# Allegro board RK_TABLET_DEMO1_RK3576_LP4XD200P132SD6_V12_20240530YWQ.brd (continued)
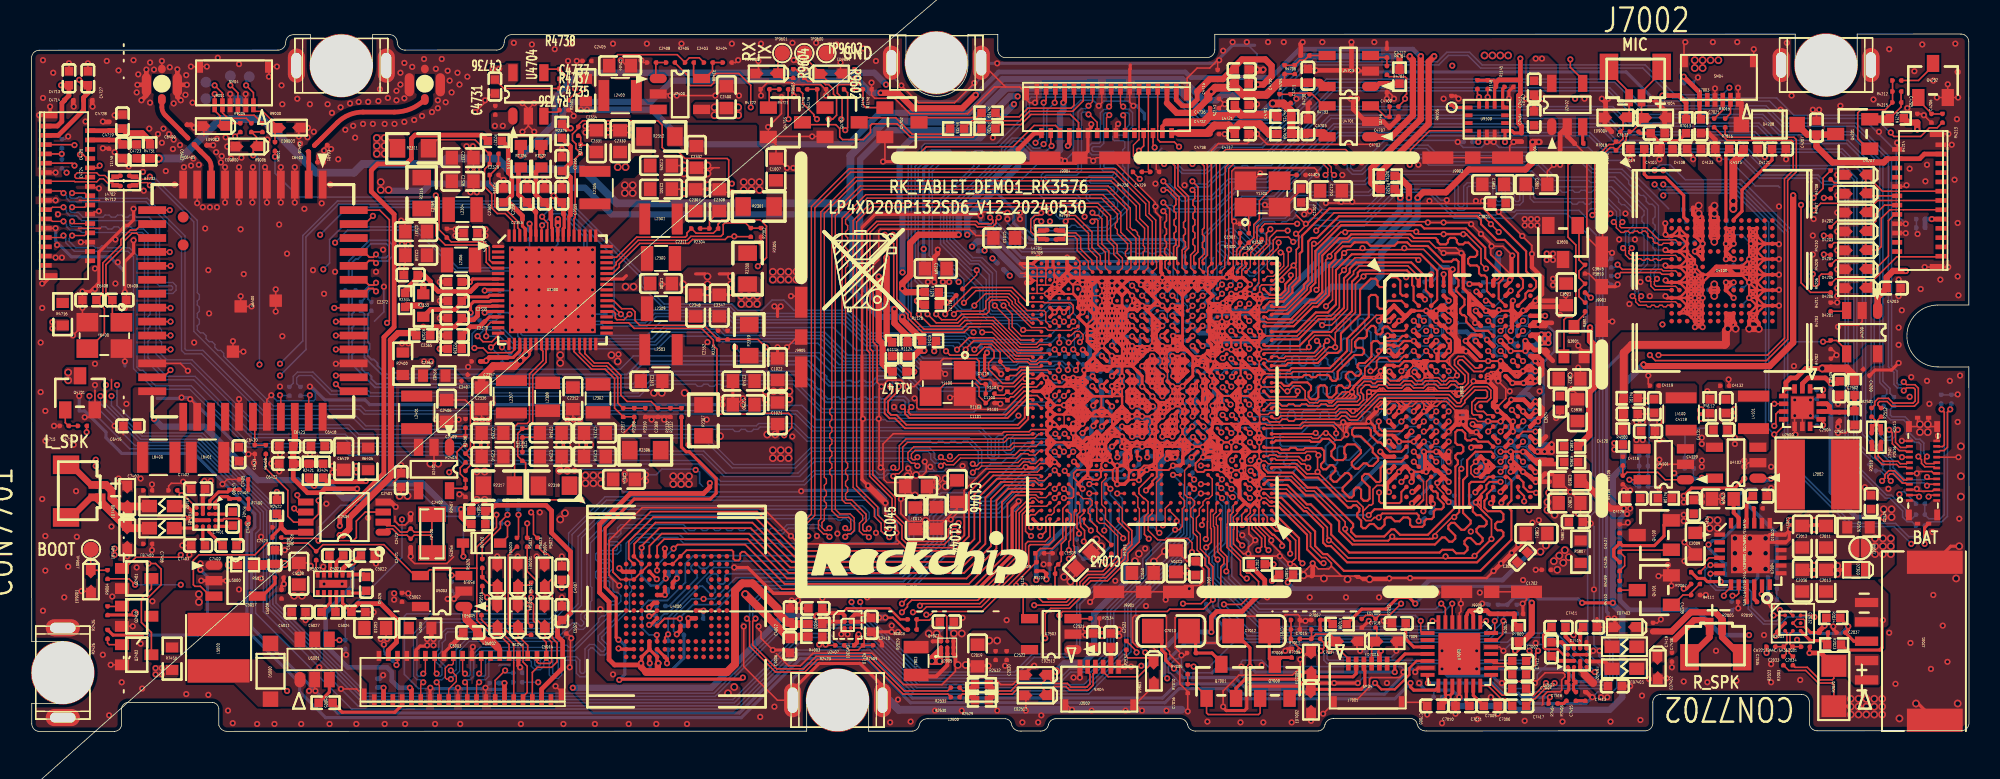
[diagram p0: board, top side]
## Nets (continued)
VIB_CON: R4213.1 U1000.AD28(--            | PWM1_CH0_M0 | --             | UART4_TX_M2     | I2C1_SCL_M1      | --           | --             | REF_CLK1_OUT | GPIO0_B4_D)
VMID_ES8388: C7011.1 U7000.20(VMID)
VOL+: J9001.3 R9000.2 TP9004.1
VOL-: J9001.5 R9001.2 TP9005.1
VREF_ES8388: C7009.1 U7000.10(VREF)
WIFI_REG_ON_H: U1000.A26(--           | SATA_CPPOD       | --           | I2C8_SCL_M1    | UART2_TX_M0    | --           | PDM0_SDI0_M2 | --            | FSPI1_D2_M1   | --              | ETH1_TXCTL_M1       | GPIO1_C6_D) U6400.15(WL_REG_ON)
WIFI_WAKE_HOST_H: U1000.1U22(I2C0_SCL_M0 | --             | SPI2_CSN0_M0  | AUPLL_CLK_IN_M1 | --           | GPIO0_B0_Z) U6400.16(WL_HOST_WAKE)
WIFIBT_32KIN_2T2R: C6421.1 R6408.2 U6400.31(LPO)
XIN_24M: C1101.1 R1101.2 U1000.U28(OSC_XIN) Y1100.3(X2)
XIN_WIFI: C6408.1 U6400.13(XTAL_IN) Y6400.3(X2)
XOUT_24M: R1100.2 R1101.1 U1000.U29(OSC_XOUT)
XOUT_WIFI: C6409.1 U6400.14(XTAL_OUT) Y6400.1(X1)
ZQ_A: R1200.2 U1000.1R6(ZQ_A)
ZQ_B: R1201.1 U1000.1J6(ZQ_B)
N16483578: C7404.2 R7400.1
N16483700: C7406.2 R7401.1
N16485789: C7415.2 R7403.1
N16485911: C7417.2 R7404.1
N17044498: ANT6402.1(FEED) C6401.1 C6403.1
N17044505: C6403.2 C6410.1 U6400.2(WL_BT_ANT0)
N18483700: L6401.1 U6400.28(ASR_VLX)
N18483702: C6420.1 L6401.2 U6400.29(ABUCK_1P12)
N18483775: C6402.2 C6405.2 U6400.9(WL_ANT1)
N18483810: L6400.2 U6400.26(CSR_VLX)
N18483812: C6415.1 L6400.1 U6400.25(CBUCK_0P9)
N18669719: C7015.1 R7007.2 R7008.1
N19347246: C1100.1 R1100.1 Y1100.1(X1)
N19625788: R1353.1 U1000.1B21(I3C1_SDA_PU_M1 | --         | SPI0_CLK_M1  | I2C5_SCL_M0 | --            | UART5_TX_M2 | TEST_CLK_OUT | SAI3_SCLK_M3 | --            | FSPI1_CLK_M0  | SDMMC0_CLK | GPIO2_A5_D)
N19625813: R1367.1 U1000.1G23(PWM2_CH7_M1 | --         | --            | --            | PDM0_CLK0_M1 | SAI0_SDI1_M2 | SAI0_SDO3_M2 | FSPI0_CLK  | EMMC_CLK  | GPIO1_B1_D)
N19907557: R2414.1 U2402.3(OCB)
N21004058: C1301.1 R1300.2 Y1300.1(X1)
N21504287: ANT6401.1(FEED) C6400.2 C6402.1
N21735612: R2534.1 U2503.3(OCB)
N21902615: R3802.2 U3800.A5(ZQ0)
N21902619: R3804.2 U3800.A8(ZQ1)
N22358067: C2421.2 U2404.1(OSCI) Y2400.1
N22358147: C2422.2 U2404.2(OSCO) Y2400.2
N22367501: L2501.4 R2510.1 R2512.2
N22367504: L2501.2 R2513.2 R2516.1
N22367533: L2500.4 R2529.1 R2530.2
N22367536: L2500.2 R2531.2 R2532.1
N22367651: C2503.1 C2504.1 R2501.2 U2500.12(VCONN_12) U2500.13(VCONN_13)
N22631222: C4121.1 U4100.A9(VDDI)
N22631304: C4122.1 U4100.A3(VDDIQ)
N22631340: C4123.1 U4100.A8(VDDIQ2)
N23443278: C7012.2 Q7000.3(DRAIN) R7006.1
N23443310: C7016.1 Q7000.1(GATE) Q7001.1(GATE) R7010.2
N23443315: C7013.2 Q7001.3(DRAIN) R7005.1
N25926738: L2401.1 U2401.3(LX)
N25926882: C2409.1 R2406.2 U2401.1(EN)
N25926888: C2402.2 R2403.2 R2407.1 U2401.5(FB/OUT)
N26149917: C7004.1 U7000.23(RIN1)
N28025034: ED9001.1 R9004.2 TP9007.1
N28026868: C7019.1 R7013.2 R7017.1
N28185504: L2400.1 U2400.3(LX)
N28185677: C2408.1 R2405.2 U2400.1(EN)
N28185687: C2403.2 R2404.2 R2408.1 U2400.5(FB/OUT)
N28311256: R4005.1 R4007.2 U4000.H5(DATA STROBE)
N28324558: R4203.1 U4200.3(OCB)
N29652995: C9103.1 U9100.11(REGOUT)
N29797202: L4100.1 U4101.3(LX)
N29797204: C4117.1 C4118.1 C4119.1 L4100.2 R4101.1 R4103.1 R4104.1
N29797351: R4105.2 R4106.1 U4101.1(EN)
N29797357: C4117.2 R4103.2 R4104.2 R4107.1 U4101.5(FB/OUT)
N29797482: L4101.1 U4102.3(LX)
N29797631: R4115.2 R4116.1 U4102.1(EN)
N29797633: C4130.2 R4113.2 R4114.1 U4102.5(FB/OUT)
N29801091: C4125.2 Q4100.1(GATE) R4109.2 R4110.1
N29801183: Q4101.3(COLLECTOR) R4110.2
N29801225: C4128.1 Q4101.1(BASE) R4111.2
N30279606: C3845.1 Q3800.1(GATE) R3810.2 R3811.1
N30279662: Q3801.3(DRAIN) R3811.2
N31039547: R2010.1 U2004.10(ILIM)
N31039644: R2006.1 R2011.1 R2025.2 U2004.11(TS/NTC)
N31039646: C2008.1 U2004.23(PMID)
N31040025: R2005.2 U2004.9(C\E\)
N31040050: C2010.1 L2002.1 U2004.19(SW1) U2004.20(SW2)
N31040066: C2010.2 U2004.21(BTST)
N31339553: R2409.2 R2410.1 R2423.2 U2407.B2(ON)
N31344249: C7400.1 U7400.D2(C1P)
N31344257: C7401.1 U7400.D1(C2P)
N31344297: C7400.2 U7400.C1(C1N)
N31344305: C7401.2 U7400.B1(C2N_1) U7400.B2(C2N_2)
N31344410: FB7400.1 U7400.D4(VON)
N31344418: FB7401.1 U7400.B4(VOP)
N31361039: C7405.1 R7400.2 U7400.A2(INN)
N31361246: C7405.2 R7401.2 U7400.A1(INP)
N31366881: C7411.1 U7402.D2(C1P)
N31366885: C7411.2 U7402.C1(C1N)
N31366889: C7412.1 U7402.D1(C2P)
N31366893: C7412.2 U7402.B1(C2N_1) U7402.B2(C2N_2)
N31367008: C7416.1 R7403.2 U7402.A2(INN)
N31367014: FB7402.1 U7402.D4(VON)
N31367020: C7416.2 R7404.2 U7402.A1(INP)
N31367026: FB7403.1 U7402.B4(VOP)
N31528669: C4707.1 R4701.2 U4701.3(EN)
N31528675: C4701.2 R4730.2 R4733.1 U4701.4(BP)
N31528937: C4712.1 R4704.2 U4703.3(EN)
N31528943: C4710.2 R4705.2 R4706.1 U4703.4(ADJ)
N31549612: Q4701.1(BASE) R4714.2 R4715.1
N31550220: Q4702.3(COLLECTOR) R4719.1
N31550249: Q4702.1(BASE) R4717.2 R4718.1
N31550517: Q4703.3(COLLECTOR) R4720.1
N31550548: Q4703.1(BASE) R4721.2 R4722.1
N31550756: Q4704.3(COLLECTOR) R4723.1
N31550787: Q4704.1(BASE) R4724.2 R4725.1
N31575465: D9803.1 J2502.4 R2537.2
N31696531: D5000.1(A) L5000.2 U5001.1(SW)
N31696650: R5005.1 U5001.3(FB)
N31711977: C5017.1 U5000.4(BP)
N31733130: C2032.1 R2023.2 U2003.C3(VCELL)
N31761528: L7803.2 U2005.B1(SW) U2005.B2(SW1)
N31761574: R2028.2 R2029.2 U2005.B3(EN)
N31915974: C5026.1 U5002.1(C21P)
N31915978: C5026.2 U5002.12(C21N)
N31916041: C5023.1 U5002.3(C11P)
N31916043: C5027.1 U5002.10(C12P)
N31916095: C5023.2 U5002.4(C11N)
N31916099: C5027.2 U5002.9(C12N)
N31916172: R5027.2 U5002.6(EN)
N31972393: J7003.2 R7015.2
N31972396: J7003.3 R7016.2
N32076662: C4709.1 R4703.2 U4703.1(IN)
N32077506: R5001.1 U5003.3(OCB)
N32083251: C4205.2 Q4201.2(SOURCE) R4215.1 R4216.2
N32083273: C4205.1 Q4201.1(GATE) R4212.2 R4215.2
N32083311: Q4202.3(COLLECTOR) R4212.1
N32083354: Q4202.1(BASE) R4213.2 R4214.1
N32119669: Q2400.1(GATE) Q2401.3(DRAIN) Q2402.3(DRAIN) R2425.2
N32119996: Q2402.1(GATE) R2426.1
N32498836: C4737.2 R4737.2 R4738.1 U4704.4(BP)
N32498842: C4735.1 R4736.2 U4704.3(EN)

Pads without a net: J4201 2 3 4 5 7 17 18 19 20 21; J4701 10; J4702 6 27; J5000 5 26 39; J7001 6; J7003 5; U1000 1A5 1A8 1A9 1A10 1A12 1A13 1A14 1A15 1A16 1A18 1A20 1AA5 1AA6 1AA20 1AC22 1AC23 1AD21 1AD22 1AE2 1AE24 1B9 1B12 1B13 1B18 1C10 1C12 1C15 1D4 1D15 1D16 1D19 1D21 1E4 1E12 1E15 1E18 1E19 1E22 1G4 1G5 1H5 1K22 1K23 1L23 1M23 1R5 1V4 1V5 2F10 2R6 2T9 2T10 2T12 2U12 A11 A13 A15 A17 A21 A28 AE28 AE29 AF28 AF29 AG28 AG29 AH28 AH29 AJ28 AK2 AK3 AK23 AK24 AK26 AK27 AK28 AK29 AL23 AL24 AL26 AL28 B9 B10 B11 B12 B14 B16 B17 B18 B19 B20 B21 B22 B26 B27 M28 M29 N28 N29; U2003 B3; U2004 2 3 12 24; U2300 2 3 16 38 48; U3800 A1 A2 A11 A12 AA1 AA12 AB1 AB2 AB11 AB12 B1 B12 G11 K5 K8 N5 N8; U4000 A2 A7 A8 A9 A10 A11 A12 A13 A14 B1 B7 B8 B9 B10 B11 B12 B13 B14 C1 C3 C7 C8 C9 C10 C11 C12 C13 C14 D1 D2 D3 D4 D12 D13 D14 E1 E2 E3 E5 E8 E9 E10 E12 E13 E14 F1 F2 F3 F10 F12 F13 F14 G1 G2 G3 G10 G12 G13 G14 H1 H2 H3 H12 H13 H14 J1 J2 J3 J12 J13 J14 K1 K2 K3 K6 K7 K10 K12 K13 K14 L1 L2 L3 L12 L13 L14 M1 M2 M3 M7 M8 M9 M10 M11 M12 M13 M14 N1 N3 N6 N7 N8 N9 N10 N11 N12 N13 N14 P1 P2 P7 P8 P9 P10 P11 P12 P13 P14; U4100 A1 A2 A10 A11 A12 A13 A14 B1 B3 B10 B13 B14 C10 C13 C14 D4 E6 E7 E9 E10 E13 E14 F10 G5 G13 G14 J10 J13 J14 K9 K10 L13 L14 M6 M7 M8 M9 M10 M11 N1 N6 N7 N10 N13 N14 P1 P2 P3 P6 P7 P10 P13 P14; U5002 7; U6400 17 18 48 51 52; U7000 9 25; U9100 2 3 9 10

## Via types
v1: diameter 0.4, hole 0.2, TOP to BOTTOM, 2089 vias
v2: diameter 0.5, hole 0.3, TOP to BOTTOM, 254 vias

## Routing (per net, layer and track width the routed paths; a pad name or vN(x,y) marks a point on that pad's centre or on a via; arc(x,y) is an arc through that point)
GND: length 4211.1
  TOP w0.089: 64.88,29.95 66.76,29.95 66.82,29.9 ; 64.88,29.95 64.88,29.08 ; 64.88,29.95 U1000.AL29 ; J4701.14 69.96,39.09 v1(70.11,39.24) ; 64.9,28.29 65.5,28.29 v1(65.51,28.28) ; 64.9,28.29 64.88,28.3 64.88,28.83 ; 64.9,28.29 64.26,28.29 64.24,28.27 ; 3.08,34.31 3.09,34.3 4.38,34.3 4.4,34.31 ; v1(72.57,36.96) 72.57,36.32 C4729.2 ; U1000.B5 77.82,14.1 77.55,13.83 77.55,13.56 77.59,13.52 ; J4701.17 69.06,40.61 v1(68.86,40.41) ; U1000.AJ29 64.85,29.12 64.88,29.08 ; U1000.G29 64.79,17.02 65.07,17.3 65.46,17.3 65.52,17.37 ; v1(58.96,23.09) 58.72,23.33 58.08,23.33 ; 68.46,36.91 v1(68.51,36.85) 68.71,37.06 J9904.3 ; 56.38,15.81 C1045.2 56.38,16.34 v2(56.52,16.48) ; 56.38,15.81 56.48,15.71 ; 56.38,15.81 56.38,15.71 ; 88.47,22.86 88.32,22.86 ; 88.32,22.86 88.4,22.95 U3800.K2 ; 88.32,22.86 88.14,22.68 ; 64.88,28.83 65.05,28.83 65.06,28.84 65.28,28.84 65.29,28.83 65.46,28.83 ; 64.88,28.83 64.88,29.08 ; 80.57,16.47 79.62,16.47 U1000.1D1 ; 65.46,29.4 65.46,29.29 65.43,29.27 65.43,28.85 65.46,28.83 ; 65.46,29.4 64.04,29.4 64.04,29.39 ; 65.46,29.4 65.46,29.55 65.45,29.56 65.45,29.78 65.46,29.79 ; 80.57,15.65 79.23,15.65 v1(79.22,15.67) ; v2(57.08,16.56) 57.1,16.56 57.13,16.53 57.48,16.53 57.74,16.79 57.74,17.3 57.64,17.4 v1(57.64,17.42) ; v2(57.08,16.56) 57.05,16.56 56.81,16.32 56.68,16.32 v2(56.52,16.48) ; v2(57.08,16.56) 57.05,16.59 56.86,16.59 56.77,16.67 56.77,16.79 v1(56.57,16.99) ; v1(62.51,22.17) 62.46,22.22 ; 62.46,22.22 62.38,22.22 62.13,22.48 ; 62.46,22.22 62.26,22.43 C1100.2 ; v2(56.52,16.48) 56.52,16.13 56.47,16.08 55.2,16.08 55,16.27 55,16.94 ; 95.49,29.46 95.42,29.54 ; v1(72.52,33.91) 72.52,34.16 69.88,36.8 ; U3800.N4 90,21 89.84,21.16 ; v1(61.14,20.95) 60.47,21.63 Y1100.4 59.33,21.63 v1(59.26,21.56) ; v1(64.16,17.08) 64.02,17.08 63.9,16.96 61.56,16.96 60.31,15.71 ; 68.42,28.27 68.54,28.15 v1(69.07,28.15) ; 65.46,28.83 65.97,28.83 ; 72.92,11.47 72.95,11.47 73.08,11.61 73.1,11.61 v2(73.13,11.63) 73.15,11.63 73.22,11.7 C1204.2 74.06,11.47 ; 78.95,31.5 78.31,30.86 v1(78.31,30.76) ; 77.45,35.43 77.45,36.19 77.65,36.4 ; C4718.2 v1(76.99,38.58) ; 66.63,19.71 66.63,20.46 66.62,20.47 ; U1000.2J5 U1000.2H5 ; 77.65,32.89 v1(77.6,32.94) ; 4.45,32.49 4.43,32.5 3.04,32.5 3.03,32.49 ; 80.57,17.29 79.79,17.29 79.61,17.47 v1(79.22,17.47)
  TOP w0.102: v1(72.52,33.91) 72.52,33.55 72.87,33.21 72.82,33.16 72.82,30.65 v1(72.87,30.61) ; U1000.1AD24 U1000.1AD23 ; v1(106.66,11) 107.08,11.43 C2009.2 107.35,11.52 v1(106.66,12.22) ; C4129.2 109.43,19.45 v1(109.91,18.97) v1(109.91,18.57) ; 75.34,29.41 75.44,29.32 ; v1(82.88,42.7) 82.78,42.8 C4711.2 ; C6418.2 18.02,17.96 v1(17.96,17.91) ; Q4703.2 47.58,38.43 v1(50.37,38.43) 51.17,38.43 Q4704.2 ; Q4703.2 48.03,37.9 C1007.2 48.15,37 v1(48.75,36.4) ; Q4703.2 47.54,39.02 v1(47.53,39.04) 48.39,39.9 v1(48.39,40.97) ; 87.18,21.97 87.18,22.16 ; 87.18,21.97 87.43,21.97 ; 87.18,21.97 87.05,21.97 ; 87.18,22.16 86.99,22.16 ; 87.18,22.16 87.24,22.16 87.43,21.97 ; 70.69,26.52 70.67,26.55 ; C4727.2 v1(3.64,43.15) ; 58.25,13.09 58.01,13.09 57.79,13.31 57.79,13.51 v2(57.69,13.61) ; v1(102.75,15.57) 102.75,15.52 102.91,15.36 C4126.2 ; 86.99,22.16 87.05,22.1 87.05,21.97 ; 86.99,22.16 86.86,22.03 ; C3822.2 99.94,23.35 v1(99.8,23.49) ; 86.49,22.82 86.41,22.9 86.41,22.92 ; 86.49,22.82 85.86,22.82 ; 86.49,22.82 86.56,22.75 86.68,22.75 86.75,22.81 ; J2501.3 121.59,15.61 v1(121.64,15.67) 121.8,15.52 122.66,15.52 122.76,15.61 J2501.22 ; 80.47,20.59 80.42,20.59 ; 80.47,20.59 84.15,20.59 84.39,20.84 84.92,20.84 ; 80.47,20.59 80.32,20.45 80.17,20.59 ; 80.42,20.59 80.21,20.59 ; 80.42,20.59 80.32,20.7 80.21,20.59 ; v1(71.66,1.35) 71.32,1.68 J2502.8 72.42,2.95 D9803.2 ; v1(87.06,23.27) 87.51,22.81 ; v1(87.06,23.27) 86.7,22.92 ; v1(87.06,23.27) 87.06,23.12 ; 87.51,22.81 87.3,22.81 ; 87.51,22.81 87.68,22.64 88.1,22.64 ; J2501.16 v1(124.34,17.71) ; J4701.11 70.86,40.65 v1(71.1,40.41) ; 87.46,15.59 87.16,15.89 ; 87.16,15.89 87.36,15.89 87.46,15.99 ; 87.16,15.89 86.81,15.89 86.56,15.63 86.56,14.72 86.45,14.62 86.31,14.62 85.92,14.22 ; v1(19.64,23.75) 19.66,23.77 U6400.39 ; v1(90.05,1.09) C7000.2 89.82,1.88 J7001.8 ; 88.81,23.26 88.71,23.17 U3800.K2 ; 88.81,23.26 88.91,23.36 ; 88.81,23.26 88.81,23.04 U3800.K2 ; 79.34,18.08 80.4,18.08 80.5,17.98 82.17,17.98 82.27,18.08 82.86,18.08 83.03,17.9 v1(83.03,17.84) 82.98,17.78 v1(82.98,16.76) ; 79.34,18.08 79.22,18.2 ; 79.34,18.08 79.22,17.95 ; 88.14,22.68 88.1,22.64 ; 88.1,22.64 88.26,22.64 88.47,22.86 88.63,22.86 U3800.K2 ; 87.43,21.97 88.49,21.97 ; 88.49,21.97 88.57,22.05 ; 88.49,21.97 89.11,21.97 ; v1(107.78,14.81) 107.62,14.96 C4124.2 ; 80.21,20.59 80.17,20.59 ; 80.17,20.59 79.9,20.59 79.78,20.47 79.22,20.47 79.24,20.44 79.24,19.98 79.35,19.86 ; 87.3,22.81 87.06,23.06 ; 87.3,22.81 87.05,22.81 ; 79.22,18.2 79.22,18.66 v1(79.22,18.67) ; 79.22,18.2 79.22,18.19 79.11,18.07 79.22,17.96 79.22,17.95 ; v1(83.52,34.13) 84.29,34.13 84.32,34.1 93.49,34.1 v1(93.65,34.26) 93.82,34.1 94.1,34.1 94.64,33.55 v1(94.67,33.55) 94.67,33.53 v1(96.19,32) 96.81,31.39 v1(96.81,30.84) ; C7404.1 12.63,16.28 v1(12.32,15.98) ; 56.38,15.71 56.38,15.29 v1(56.09,15.01) 56.09,14.06 56.59,13.56 57.51,13.56 57.54,13.59 57.67,13.59 ; J2502.7 66.85,1.68 v1(67.14,1.4) ; v1(13.39,36.45) U6400.7 v1(13.39,34.16) ; 74.28,17.34 74.37,17.25 ; J4701.33 74.56,42.2 75.21,42.85 76.03,42.85 76.53,43.36 v1(76.63,43.36) 76.53,43.26 C4715.2 ; 62.85,41.63 63.76,41.63 J4701.32 64.16,40.84 64.39,40.61 v1(64.75,40.61) 64.86,40.73 J4701.31 ; 62.85,41.63 62.13,41.63 60.39,39.9 56.68,39.9 56.19,40.39 56.19,40.4 55.69,40.89 54.41,40.89 54.2,41.1 R4718.2 v1(54.2,41.91) ; 62.85,41.63 J9915.3 ; 65.99,29.47 65.99,28.89 v1(66.02,28.87) 66.62,28.87 ; U6400.11 v1(9.23,35.32) ; U2503.2 67.94,6.28 v1(68,6.22) ; v1(46.92,6.78) 46.92,6.58 47.07,6.43 47.07,6.02 v1(47.83,5.26) ; U2400.2 41.13,41.17 v1(41.23,41.07) ; v1(19.97,2.74) 20.97,2.74 J5000.41 ; 68.46,36.91 68.3,37.06 J9904.1 ; Q4702.2 55.06,36.92 v1(54.94,36.8) ; 92,21.59 92,21.77 91.91,21.86 ; 92,21.59 92.09,21.59 92.21,21.71 ; 92,21.59 91.95,21.59 91.85,21.69 ; ED9001.2 3.24,9.05 v1(3.23,9.07) ; 86.7,22.92 86.75,22.88 86.75,22.81 ; 86.7,22.92 86.41,22.92 ; 57.32,13.07 57.61,13.07 v1(57.69,13.14) ; 57.32,13.07 57.66,12.72 v1(57.69,12.72) ; 57.32,13.07 57.16,13.07 ; 23.35,16.08 23.85,16.59 C2401.2 v1(23.85,17.2) ; v1(69.07,28.8) v1(69.07,28.15) v1(69.07,27.5) ; 92.48,21.97 93.02,22.52 93.02,22.6 v1(93.04,22.62) ; 92.48,21.97 91.9,21.97 ; 92.48,21.97 92.36,21.86 ; R7011.2 C7017.2 81.82,7.44 81.71,7.54 80.9,7.54 80.8,7.44 76.69,7.44 76.58,7.34 76.58,5.82 76.48,5.71 75.82,5.71 75.72,5.82 75.72,7.29 75.57,7.44 73.89,7.44 73.79,7.34 73.79,5.41 74.07,5.13 ; v1(116.56,26.14) 116.67,26.24 117.88,26.24 118.12,26.47 U4200.2 ; v2(34.06,18.52) 34.21,18.66 C2346.2 ; C2405.2 v1(35.18,43.31) ; 91.91,21.86 92.36,21.86 ; 91.91,21.86 91.91,21.91 ; 92.36,21.86 92.21,21.71 ; 78.33,27.96 U1000.1AC3 ; 84.92,20.84 85.06,20.69 v1(85.27,20.69) ; 84.92,20.84 85.13,20.84 v1(85.27,20.69) ; J4702.14 3.85,35.13 4.3,35.13 v1(4.35,35.08) ; C4128.2 v1(108.03,8.81) ; 65.99,29.49 65.99,29.78 66,29.8 66,29.95 ; R7005.2 74.42,4.92 v1(74.2,4.92) ; 90.5,22.21 90.74,21.97 ; 90.5,22.21 90.5,22.1 ; 90.5,22.21 90.12,22.21 ; 90.74,21.97 90.48,21.97 ; 90.74,21.97 91.57,21.97 ; v1(66.68,36.85) 66.47,37.06 J9904.2 ; v1(27.36,32.44) 27.34,32.46 C2369.2 ; v1(116.56,19.28) 117.07,19.28 117.59,19.79 C2503.2 ; U4102.2 110.78,17.36 v1(110.52,17.09) ; 89.03,22.05 88.57,22.05 ; 89.03,22.05 89.11,21.97 ; 89.03,22.05 88.97,22.11 ; 88.57,22.05 88.63,22.11 ; 91.93,21.93 91.94,21.93 ; 91.93,21.93 91.91,21.91 ; 91.93,21.93 91.85,21.93 91.8,21.97 ; 91.94,21.93 91.99,21.88 92.03,21.88 92.08,21.82 v1(92.1,21.82) 92.1,21.82 92.21,21.71 ; 91.94,21.93 91.9,21.97 ; 32.06,39.12 v1(32.44,38.73) ; 32.06,39.12 U4704.2 32.06,40.2 ; 32.06,39.12 v1(31.68,38.73) ; v1(56.12,41.72) 57.24,40.61 59.56,40.61 v1(60.84,41.88) ; 90.48,21.97 90.5,22 90.5,22.1 ; 90.48,21.97 90.1,21.97 ; v2(57.69,13.61) 57.67,13.59 ; v2(57.69,13.61) 59.24,13.61 v1(59.31,13.69) 59.72,14.1 59.72,14.41 ; 57.67,13.59 57.16,13.09 57.16,13.07 ; C4207.2 115.17,39.92 v1(114.94,40.16) ; U1000.1F3 U1000.1E3 ; U1000.1E3 U1000.1E2 ; U1000.1E3 78.33,17.16 78.33,16.59 U1000.1D3 ; R4214.2 122.57,39.33 v1(122.1,39.8) 122.02,39.88 C4206.2 ; 74.06,11.47 74.55,10.99 C1203.2 75.12,10.99 75.62,10.49 75.62,9.68 75.36,9.42 74.41,9.42 J9901.3 73.18,9.02 ; 49.66,28.12 v1(49,28.12) ; v1(18.88,37.52) 18.88,37.67 19.07,37.86 C6401.2 v1(19.33,37.62) ; 86.86,22.03 86.8,21.97 86.8,21.97 ; 86.86,22.03 86.4,22.03 86.34,21.97 ; 88.97,22.11 88.63,22.11 ; 88.97,22.11 88.87,22.21 88.73,22.21 88.63,22.11 ; 60.31,15.71 60.18,15.57 60.18,12.65 59.39,11.87 56.36,11.87 56.01,12.22 ; 81.61,33.35 82.17,32.79 v1(82.22,32.79) 82.32,32.79 ; v1(79.22,15.07) 79.64,15.07 79.89,14.82 U1000.C1 ; 87.05,22.81 87.06,22.82 87.06,23.06 ; 87.05,22.81 86.75,22.81 ; C2521.2 68.82,6.33 v1(69.07,6.58) 68.89,6.75 R2534.2 ; 90.63,21.31 90,21.31 ; U6400.30 13.39,21.46 v1(13.39,21.46) ; v1(79.19,22.25) 79.22,22.25 79.22,22.25 80.19,22.25 80.25,22.3 80.54,22.3 80.87,21.97 v1(81.04,21.97) 81.1,21.97 81.45,22.32 81.85,22.32 82.18,22 82.18,21.51 82.29,21.4 ; v1(107.22,36.96) 107.22,37.22 C4108.2 ; v1(2.67,25.58) 3.52,26.43 ; 3.52,26.43 Y6400.2 ; 3.52,26.43 3.44,26.43 3.29,26.58 v1(3.29,27.36) C6408.2 v1(3.29,28.42) ; v1(4.35,33.6) 4.3,33.55 4.04,33.55 3.89,33.4 J4702.20 ; 49.19,41.78 50.92,41.78 51.22,41.48 R4725.2 v1(51.26,41.07) ; 49.19,41.78 49.19,41.8 49.08,41.91 47.48,41.91 R4722.2 47.05,41.09 v1(47.07,41.07) ; 49.19,41.78 49.19,41.03 v1(49.2,41.02) ; R4715.2 v1(1.45,19.74) ; 73.18,9.02 v1(73.18,8.51) ; 73.18,9.02 J9901.1 J9901.2 ; R4738.2 v1(34.62,43.31) ; 64.89,22.8 64.13,22.8 v1(64.12,22.78) 63.93,22.78 63.43,22.28 62.61,22.28 v1(62.51,22.17) ; 65.46,29.95 65.46,30.61 65.59,30.48 65.59,29.95 65.46,29.83 ; 88.91,23.36 88.91,23.36 88.91,23.08 88.91,22.95 ; 88.91,23.36 89.12,23.58 ; v1(83.28,26.24) 83.87,26.24 84.91,27.27 84.91,29.14 85.3,29.54 85.3,29.72 85.66,30.08 88.8,30.08 89.46,29.42 v1(89.46,29.34) ; 93.82,22.86 93.82,23.02 93.91,23.11 94.03,23.11 ; 93.82,22.86 93.82,22.79 v1(93.99,22.62) ; 93.82,22.86 93.9,22.95 94.2,22.95 ; v1(37.21,39.09) 37.71,39.09 C2330.2 ; v1(105.03,17.55) v1(105.03,17.14) 105.14,17.26 U4101.2 ; 89.11,21.97 89.89,21.97 ; D4201.2 v1(116.51,28.64) ; 85.92,14.22 85.92,14.48 85.54,14.86 84.88,14.86 82.98,16.76 v1(82.98,16.76) ; 85.92,14.22 85.92,13.81 86.11,13.62 86.44,13.62 86.64,13.82 v1(86.93,13.82) ; v1(87.25,7.14) 87.4,6.98 C7009.2 ; ED7400.2 6.16,15.79 v1(5.62,16.33) ; U3800.K2 88.91,22.95 ; 88.91,22.95 89.05,22.95 89.35,22.64 89.66,22.64 89.86,22.85 ; v1(15.83,42.94) J9001.7 v1(15.32,42.29) ; v1(120.98,35.28) 120.9,35.19 J4201.16 ; 79.22,27.07 79.69,27.07 79.82,27.19 80.97,27.19 82.32,28.54 82.32,28.77 82.62,29.07 82.62,31.37 v1(82.75,31.5) 83,31.5 84.42,32.92 90.05,32.92 v1(90.1,32.87) v1(91.11,32.87) 92.78,32.87 v1(92.89,32.77) v1(93.53,32.13) ; 105.04,36.96 105.04,37.27 105.29,37.27 105.34,37.31 105.34,37.9 105.04,37.9 ; 105.04,36.96 v1(105.04,36.96) ; 105.04,36.96 104.99,37.01 C4103.2 ; 89.84,21.31 89.68,21.31 ; 89.68,21.31 89.4,21.31 ; 89.68,21.31 89.84,21.16 v1(89.84,20.67) ; J5000.19 27.51,2.76 27.51,2.77 v1(27.51,2.82) ; v1(86.3,21.93) 86.16,21.79 86.16,21.33 ; v1(86.3,21.93) 86.34,21.97 ; v1(86.3,21.93) 86.48,21.74 86.48,21.65 ; C5002.2 24.29,8.94 v1(24.31,8.91) ; 56.01,12.22 55.81,12.42 v1(55.81,12.83) 55.81,13.33 55.1,14.05 v1(55.1,14.76) ; 56.01,12.22 55.91,12.12 49.51,12.12 v1(49,12.62) 47.17,14.45 39.4,14.45 37.26,12.32 37.26,10.08 v1(37.93,9.42) ; v1(10.49,38.99) 10.6,39.1 ED9002.2 11.12,38.48 ; R4106.2 102.71,15.96 103.1,15.57 v1(103.15,15.57) ; 91.91,21.91 91.85,21.85 91.85,21.69 ; v1(23.9,31.47) 24.12,31.26 C2338.2 24.12,30.26 v1(23.9,30.05) 24.01,29.94 C2372.2 ; 90.72,31.24 91.91,31.24 v1(92.26,30.9) 92.31,30.9 ; 90.72,31.24 91.06,30.9 v1(91.11,30.9) ; 90.72,31.24 90.6,31.24 90.19,31.65 89.05,31.65 88.81,31.89 85.24,31.89 84.99,31.63 84.59,31.63 83.76,30.79 v1(83.76,30.68) 83.5,30.43 83.5,28.28 82.88,27.65 82.61,27.65 81.36,26.41 79.69,26.41 79.63,26.47 79.22,26.47 ; R2414.2 100.36,37.19 100.36,31.94 J9903.3 101.92,30.98 v1(101.98,30.91) ; v1(39.35,43.36) 39.5,43.2 C2408.2 ; 90.5,22.1 90.12,22.1 ; v1(116.51,29.84) 116.52,29.85 D4206.2 ; v1(27.56,20.14) 27.43,20.01 C2406.2 26.22,20.01 v1(26.09,20.14) ; v1(18.57,37.16) 18.44,37.03 C6410.2 v1(18.81,36.76) ; v1(54.79,17.04) 54.94,17.2 54.94,18.57 55.6,19.23 62.61,19.23 62.74,19.36 64.36,19.36 64.5,19.5 65.64,19.5 ; v1(54.79,17.04) 54.69,17.14 54.69,22.12 v1(54.84,22.28) ; v1(54.79,17.04) 54.9,17.04 55,16.94 ; 91.85,21.69 91.57,21.97 ; v1(105.03,19.99) 104.75,19.71 C4116.2 104.75,19.1 v1(105.03,18.82) ; C4203.2 120.6,28.25 v1(120.48,28.12) ; 86.34,21.97 86.8,21.97 ; C2524.2 118.34,15.61 118.34,15.72 v1(118.29,15.77) ; v2(26.24,17.3) 25.97,17.57 U2401.2 ; v1(40.67,28.88) 41.27,28.88 C2300.2 ; J9912.2 48.13,2.02 45.95,4.19 v1(45.95,6.78) ; 82.32,32.79 81.68,32.15 v1(81.59,32.15) ; 82.32,32.79 83.25,33.72 ; ED5004.2 v1(31.37,11.3) ; v1(95.63,38.07) 95.38,37.82 95.38,37.2 J9902.3 J9902.1 J9902.2 ; 59.72,14.41 C1046.2 ; 59.72,14.41 C1044.2 ; v1(88.7,29.34) 88.48,29.56 86.11,29.56 v1(85.94,29.39) 85.92,29.39 85.42,28.9 85.42,27.06 84.12,25.76 84.12,25.2 ; v1(3.43,20.29) 3.74,20.29 4.08,20.63 Q4701.2 4.09,20.78 4.09,21.99 4.08,22.01 4.09,22.02 ; 95.42,29.54 94.16,30.8 94.16,31.26 94.21,31.31 v1(94.21,31.34) 94.94,31.34 v1(95.55,30.74) ; C2404.2 38.38,43 v1(38.03,43.36) ; v1(32.44,40.58) 32.06,40.2 ; 32.06,40.2 v1(31.68,40.58) ; v1(113.21,36.96) 113.2,36.96 C4121.2 ; v1(70.18,6.17) 70.02,6.33 C2523.2 ; C3836.2 99.75,21.77 v1(99.39,22.12) ; 85.36,21.71 85.36,21.51 ; 85.36,21.71 85.2,21.88 ; 85.36,21.71 85.46,21.61 85.36,21.51 ; 85.36,21.51 85.02,21.51 ; 84.23,19.79 84.06,19.96 82.01,19.96 81.84,19.79 79.71,19.79 79.63,19.86 79.35,19.86 ; 84.23,19.79 84.64,19.38 ; 84.23,19.79 84.45,19.79 v1(84.64,19.97) 84.64,19.38 ; 84.64,19.38 v1(84.84,19.18) ; v1(109.86,20.4) 109.7,20.56 C4131.2 ; 84.51,10.03 82.6,10.03 ; 84.51,10.03 85.4,10.03 ; 84.51,10.03 83.87,10.67 83.7,10.49 83.03,10.49 v1(82.67,10.86) 82.31,10.5 81.99,10.18 81.99,10.32 81.48,10.82 81.34,10.82 ; R4202.2 116.17,24.7 116.46,24.41 v1(116.46,24.31) 116.36,24.31 116.13,24.07 C2505.2 ; 35.65,18.4 v2(35.54,18.52) ; 35.65,18.4 C2315.2 ; 35.65,18.4 C2316.2 ; v1(94.87,3.12) 94.92,3.12 95.02,3.23 97.11,3.23 97.67,3.78 98.83,3.78 98.94,3.68 98.94,3.53 98.73,3.33 98.73,2.67 98.63,2.56 97.82,2.56 97.51,2.26 97.51,1.75 97.46,1.7 ; ED9003.2 v1(17.25,38.43) ; Q4101.2 105.03,10.08 v1(104.98,10.03) ; Q4101.2 v1(105.81,9.41) ; Q4101.2 105.59,10.3 v1(105.59,10.74) ; v1(28.32,36.3) 28.52,36.49 C2327.2 28.52,37.35 v1(28.07,37.79) ; 87.06,23.06 87.06,23.12 ; 78.64,14.5 78.64,14.12 78.37,13.84 U1000.A4 78.44,13.65 78.44,13.47 78.45,13.47 78.45,13.46 78.55,13.36 78.55,12.76 78.66,12.66 78.66,12.66 78.96,12.35 v1(78.96,12.35) 78.51,11.9 v1(78.51,11.48) ; J5000.25 29.31,2.79 v1(29.29,2.82) ; 79.22,24.07 79.22,23.62 ; 79.22,24.07 79.62,24.07 79.79,23.9 80.87,23.9 80.99,24.02 82.91,24.02 83.71,24.82 v1(84.12,24.82) 84.12,24.82 84.12,25.2 ; 79.22,24.07 v1(79.22,24.07) ; C7402.2 10.24,15.67 v1(9.78,16.13) 9.68,16.03 9.02,16.03 8.85,15.85 R7402.2 ; R2315.2 30.12,35.92 30.36,35.69 30.39,35.69 v1(30.46,35.62) ; 85.28,20.7 85.4,20.82 85.65,20.82 ; 85.28,20.7 v1(85.27,20.69) ; 85.28,20.7 85.53,20.7 85.65,20.82 ; 89.21,21.31 89.4,21.31 ; 89.4,21.31 89.09,21 U3800.N2 ; 92.61,20.23 92.63,20.2 93.13,20.2 93.32,20.02 93.97,20.02 v1(93.98,20.03) ; 75.92,26.55 75.92,27.13 ; v1(23.85,32.99) 24.12,32.73 C2337.2 ; C4735.2 34.72,40.14 34.98,39.88 v1(34.98,39.75) ; 90.12,22.1 90.12,22 90.1,21.97 ; 90.12,22.1 90.12,22.21 ; J2501.12 120.68,18.76 v1(120.68,18.77) ; 81.44,30.07 81.61,29.9 81.61,29.27 81.12,28.78 81.12,28.41 80.69,27.98 79.53,27.98 U1000.1AC1 ; C7419.2 104.9,7.01 v1(105.13,7.24) ; v1(94.97,5.21) 94.73,5.45 U7000.26 ; U3800.J3 89.14,23.6 89.12,23.58 ; 89.97,22.85 89.86,22.85 ; 89.97,22.85 89.97,23.26 v1(89.96,23.27) 89.86,23.17 89.86,22.85 ; 89.97,22.85 90.22,22.85 U3800.K4 90.41,22.85 90.79,22.85 91,22.63 91.23,22.63 91.45,22.85 91.76,22.85 91.9,22.99 v1(91.98,22.99) 91.93,23.04 91.93,23.25 91.49,23.69 91.49,23.7 ; 77.65,36.4 82.78,36.4 82.93,36.25 82.93,35.94 ; v1(54.84,22.28) 54.56,22.55 54.56,24.89 54.31,25.14 54.31,30.1 54.66,30.45 54.66,32.33 54.77,32.44 60.53,32.44 60.94,32.03 62.1,32.03 62.2,32.13 ; v1(54.84,22.28) 55.25,22.68 56.11,22.68 v1(56.52,22.28) 56.96,22.28 Y1100.2 58.08,23.33 58.83,24.08 60.97,24.08 61.14,23.91 61.14,22.88 61.29,22.73 61.87,22.73 62.13,22.48 ; 77.59,13.52 77.59,13.08 77.56,13.04 77.56,12.11 78.18,11.48 v1(78.51,11.48) ; 84.12,25.2 83.75,25.58 82.79,25.58 82.42,25.2 v1(82.42,24.82) 82.28,24.67 v1(79.22,24.67) ; C3825.2 95.87,11.06 ; 85.02,21.51 84.79,21.51 ; 85.02,21.51 85.2,21.69 85.2,21.88 ; J9903.1 100.47,29.58 C3845.2 ; v2(67.03,9.68) 67.03,9.78 67.4,10.15 C1043.2 67.15,10.55 66.63,10.03 v2(66.63,9.98) ; 87.05,21.97 86.8,21.97 ; D4202.2 116.61,34.73 116.51,34.63 v1(116.51,34.62) ; v1(15.47,21.72) 15.19,21.43 U6400.32 ; 91.8,21.97 91.9,21.97 ; 91.8,21.97 91.57,21.97 ; 86.8,21.97 86.48,21.65 ; 89.12,23.58 89.12,23.75 88.95,23.92 ; 85.2,21.88 v1(85.2,21.93) ; Q3801.2 100.18,24.54 v1(99.8,24.92) ; U1000.T29 64.04,21.97 62.87,20.8 57.24,20.8 57.13,20.92 57.13,21.41 57.03,21.51 v1(56.98,21.51) ; C2344.2 39.35,16.28 v1(39.65,16.59) ; 66.03,28.26 66.02,28.27 ; 66.03,28.26 65.53,28.26 v1(65.51,28.28) ; 66.03,28.26 66.63,28.26 ; v1(29.09,20.14) 29.04,20.19 C2336.2 ; 94.03,23.11 94.2,22.95 ; 94.03,23.11 94.16,23.24 ; 94.2,22.95 U3800.K9 94.31,23.09 94.16,23.24 ; U1000.1AC2 78.91,27.96 ; 94.16,23.24 94.71,23.24 ; 111.89,8.42 R2010.2 112.16,8.1 v1(112.3,8.1) ; J4702.17 v1(1.55,34.3) ; J2501.29 121.7,19.69 v2(121.85,19.84) 121.69,19.99 J2501.32 ; v1(116.51,27.71) 116.49,27.69 R4203.2 ; C6420.2 13.55,17.46 v1(14,17.91) 14.03,17.94 C6421.2 14.4,17.4 v1(14.35,17.35) ; 73.27,23.3 73.27,23.9 ; v1(34.72,4.14) 34.78,4.19 34.78,5.97 v1(34.83,6.02) 34.83,6.07 34.57,6.32 C5014.2 ; R2408.2 45.44,43.2 v1(45.6,43.36) ; v2(34.06,16.84) 34.21,16.98 C2345.2 ; C4118.2 104.65,20.51 C4120.2 103.64,20.07 v1(103.56,19.99) ; v1(13.5,28.11) U6400.54 v1(14.2,27.45) ; 82.12,35.18 80.81,33.87 Y1300.2 79.72,33.87 v1(79.58,34.01) ; D4205.2 v1(116.51,31.07) ; 69,9.02 68.96,9.02 v1(68.3,8.36) ; v1(45.65,41.07) 45.6,41.12 45.49,41.12 44.95,41.67 C2400.2 44.77,41.67 44.22,41.12 44.17,41.12 v1(44.12,41.07) v1(41.63,41.07) ; v1(14.25,34.16) 14.29,34.2 U6400.6 v1(14.29,36.45) ; 110.12,8.42 R2005.1 v1(110.12,7.95) ; U1000.1H1 79.54,18.94 80.13,18.94 80.19,19.01 80.76,19.01 80.76,19.01 82.57,19.01 82.65,18.92 83,18.92 83.35,19.27 v1(83.52,19.27) ; 79.22,17.95 v1(79.22,17.47) ; 89.03,21.31 87.7,21.31 ; 42.85,36.41 C2332.2 43.47,36.41 v2(43.61,36.55) 43.76,36.41 43.98,36.41 ; 81.33,29.97 81.3,29.97 80.66,29.34 80.66,29.19 80.67,29.19 v1(80.67,29.16) 80.49,29.16 80.17,28.85 79.38,28.85 79.24,28.71 79.24,28.25 ; v1(35.74,38.68) 35.88,38.82 C2331.2 36.19,39.09 v1(35.74,39.09) ; v1(27.36,32.03) 27.51,32.18 C2324.2 ; v1(12.49,34.16) U6400.8 v1(12.49,36.45) ; v2(43.61,35.28) 43.35,35.01 C2307.2 ; C6415.2 5.93,19.18 5.92,19.18 ; ED7402.2 105.45,3.47 v1(105.49,3.43) ; ED7401.2 v1(6.18,11.3) ; 76.13,30.26 76.13,37.52 76.58,37.97 78.44,37.97 78.54,38.07 C4717.2 78.52,38.59 ; 84.17,21.51 84.01,21.35 ; 84.17,21.51 84.51,21.51 ; 84.17,21.51 84.58,21.93 84.92,21.93 ; 84.01,21.35 83.89,21.23 83.73,21.23 83.62,21.34 83.62,21.35 ; 84.01,21.35 83.62,21.35 ; 90.99,21.31 90.67,21 90.5,21 90.5,21 U3800.N4 ; 90.99,21.31 90.86,21.31 ; 90.99,21.31 91.29,21.31 91.95,20.65 ; 68.15,16.84 68.1,16.89 67.45,16.89 67.24,16.68 67.24,16.38 67.52,16.1 U1000.1C21 ; 87.3,26.88 86.77,26.88 85.18,25.29 85.18,24.5 83.92,23.24 81.4,23.24 81.27,23.11 79.58,23.11 U1000.1R1 ; v1(83.52,27.46) 83.95,27.88 83.95,29.98 84.54,30.58 84.54,30.75 84.69,30.9 v1(84.7,30.9) 84.91,31.11 85.78,31.11 v1(85.88,31.22) 85.98,31.11 88.48,31.11 v1(88.58,31.22) 88.66,31.13 89.82,31.13 91.08,29.88 91.51,29.88 91.54,29.84 v1(91.7,29.84) ; v1(109.1,14.81) 108.88,15.02 C2008.2 ; U1000.2C6 72.57,19.3 72.57,18.79 U1000.2B6 72.69,18.67 73.24,18.67 ; D4204.2 v1(116.51,32.29) ; v1(98.22,36.6) 97.81,36.18 C3801.2 ; v1(38.69,39.09) 38.24,39.09 C2330.2 ; R2407.2 27.84,15.32 v1(27.61,15.32) ; 79.35,19.86 79.22,19.86 79.22,19.87 ; 44.38,36.41 43.98,36.41 ; 43.98,36.41 v2(43.61,36.04) ; v1(82.98,16.76) 82.85,16.64 82.28,16.64 81.63,17.29 80.57,17.29 ; 46.9,42.49 v1(46.9,43.31) ; v1(85.17,42.7) v1(85.58,42.7) ; C5010.2 22.88,6.03 v1(22.94,5.97) ; v1(15.99,16.8) C6422.2 v1(15.47,17.3) ; Y6400.4 5.92,24.73 6.02,24.63 v1(6.02,23.9) ; 57.16,13.07 C1037.2 ; C3805.2 100.51,13.54 v1(100.61,13.44) ; C2017.2 111.97,15.44 v1(112.25,15.72) ; v1(52.2,43.2) 52.2,42.65 52.11,42.56 52.11,42.49 ; R9604.2 49.38,43.26 49.29,43.26 v1(49.18,43.36) ; v1(16.99,34.16) U6400.3 v1(16.99,36.45) ; 87.06,23.12 86.75,22.81 ; v1(83.34,1.14) 83.97,1.77 J7001.7 ; v1(91.8,13.84) 91.66,13.84 90.57,12.75 v1(90.57,12.61) ; v1(80.54,11.32) 80.54,11.58 79.99,12.14 v1(79.99,12.34) 79.99,12.46 79.19,13.26 79.19,14.49 ; v1(80.54,11.32) 80.67,11.32 81.04,10.95 81.08,10.95 v1(81.21,10.82) 81.56,11.18 81.56,12.34 80.6,13.31 v1(80.42,13.31) ; v1(80.54,11.32) 78.67,11.32 v1(78.51,11.48) ; v1(82.91,28.52) 83.06,28.67 83.06,30.83 84.48,32.24 v1(84.76,32.24) 84.85,32.33 89.29,32.33 v1(89.35,32.28) 89.51,32.12 v1(91.11,32.12) ; 61.19,3.48 62.09,3.48 62.54,3.03 63.32,3.03 63.93,3.64 ED2513.2 ; C4726.2 76.63,40.87 v1(76.99,40.51) 76.89,40.51 76.63,40.26 C4722.2 ; C3820.2 98.58,16.18 v1(99.29,15.47) 99.94,14.82 C3802.2 99.94,14.19 v1(99.8,14.05) ; 86.48,21.65 86.16,21.33 ; ED5001.2 33.1,10.79 v1(32.59,11.3) ; 79.17,32.69 79.07,32.59 79.07,31.62 78.95,31.5 ; v1(76.89,1.6) 76.89,2.62 77.9,3.63 81.36,3.63 81.87,4.14 v1(81.87,4.65) 82.3,5.08 ED7001.2 ; v1(85.2,21.93) 84.92,21.93 ; v1(85.2,21.93) 84.79,21.51 ; 94.57,21 94.62,21 95.13,21.51 95.13,22.13 v1(94.64,22.62) ; v1(77.42,16.87) 77.42,16.27 ; C4709.2 87.58,41.3 87.81,41.07 87.81,40.97 v1(87.91,40.87) ; ED2512.2 v1(64.16,1.35) ; v1(123.67,29.99) J4201.27 v1(122.15,29.99) ; 23.45,13.89 23.45,13.59 23.7,13.33 24.11,13.33 24.43,13.66 C2422.1 ; 56.48,15.71 56.95,15.24 v2(57,15.24) ; 67.49,29.95 67.54,29.95 67.64,29.84 ; 67.49,29.95 67.09,29.95 ; 67.49,29.95 67.64,30.1 ; J9001.2 v1(13.82,41.17) ; C2312.2 34.93,20.19 v1(34.98,20.14) ; C6423.2 15.99,17.95 v1(16.03,17.91) ; U1000.AL8 75.89,29.95 75.89,29.74 75.89,29.74 75.89,29.4 75.9,29.39 75.9,29.23 75.89,29.22 U1000.2V1 ; v1(97.06,10.44) C1202.2 97.49,10.44 ; v1(6.02,27.36) 6.12,27.45 C6409.2 6.12,28.28 v1(6.02,28.37) ; 84.92,21.93 84.51,21.51 ; U7000.4 92.13,7.64 92.23,7.75 v1(92.23,8.25) 92.23,8.91 92.13,9.02 J9900.2 ; 85.65,20.82 86.16,21.33 ; C7408.2 v1(7.77,11.71) ; J2501.13 122.93,19.02 v1(123.02,19.1) ; 101.37,30.88 101.37,32.64 101.68,32.94 101.68,33.2 101.88,33.4 v1(101.88,33.45) ; v1(33.81,2.92) 34.21,2.52 J5000.40 ; Q2400.2 v1(6.53,6.79) 6.53,6.83 ; 72.02,24.6 72.62,24.6 ; 84.79,21.51 84.51,21.51 ; C2328.2 28.52,35.04 v1(28.73,34.82) ; 59.62,4.29 59.62,3.89 58.75,3.02 56.26,3.02 54.23,5.05 50.42,5.05 49.61,4.24 48.85,4.24 48.06,5.03 ; 90.1,21.97 89.89,21.97 ; 89.89,21.97 90.12,22.21 ; U1000.2B8 71.37,18.7 71.97,18.7 71.99,18.72 ; J2501.9 v1(120.69,17.71) ; 77.65,32.89 77.75,32.79 C1301.2 ; v1(13,25.21) U6400.55 v1(13.67,24.53) ; D4203.2 v1(116.51,33.51) ; v1(37.21,38.68) 37.36,38.82 C2330.2 ; v1(10.09,23.29) 9.61,23.77 U6400.23 ; 83.62,21.35 83.1,21.35 82.98,21.23 82.46,21.23 82.29,21.4 ; C4713.2 v1(2.42,43.15) ; v1(18.32,2.62) 18.27,2.67 U5001.2 ; v1(108.89,36.96) 108.65,37.2 C4123.2 ; 86.64,37.92 79.73,37.92 v1(79.07,38.58) ; v1(22.08,7.7) 22.07,7.71 C5024.2 ; Q4202.2 v1(124.31,40.95) ; Q4202.2 v1(122.94,40.95) ; Q4202.2 v1(123.64,41.8) ; v1(93.85,29.9) 93.53,30.22 93.53,31.17 92.58,32.12 ; v1(109.5,22.73) 109.52,22.71 C4132.2 ; v1(91.24,11.3) 91.14,11.2 84.95,11.2 83.81,12.34 v1(83.71,12.34) 83.62,12.43 83.62,12.61 83.61,12.62 83.61,13.17 82.34,14.44 82.19,14.44 80.98,15.65 80.57,15.65 ; 86.41,22.92 86.06,22.92 86.01,22.97 86.03,22.99 86.03,23.3 ; 73.89,18.67 73.34,18.67 ; C4736.2 29.7,41.21 v1(29.26,40.77) 29.26,40.64 v1(28.63,40) ; J4702.23 v1(1.55,32.5) ; v1(5.11,4.3) Q2402.2 ; C2301.2 41.84,35.03 v2(42.09,34.77) ; C2325.2 v2(42.09,36.55) ; v1(98.99,28.17) 99.02,28.13 C3823.2 ; 87.26,21.31 87.04,21.31 86.77,21.05 v1(86.77,20.83) ; v1(18.01,10.69) 17.82,10.88 C5008.2 v1(17.25,10.24) ; U2500.9 U2500.15 113.76,20.41 U2500.8 113.76,19.24 v1(113.82,19.18) ; 77.45,35.43 77.45,33.1 77.54,33 77.54,29.4 ; J4702.26 v1(3.18,31.6) ; v1(10.28,42.94) J9001.8 v1(11.31,42.94) ; v1(24.46,11.3) 24.46,11.1 24.72,10.85 26.8,10.85 27.23,11.28 ; v1(85.73,5.21) 85.52,5.41 ED7000.2 ; J7003.1 110.13,41.57 v1(110.11,41.58) ; 72.93,3.23 72.93,4.85 72.32,5.46 71.35,5.46 71.05,5.77 71.05,7.34 71.2,7.49 73.13,7.49 73.23,7.39 73.23,5.36 73.43,5.16 73.43,4.98 74.09,4.32 74.09,3.07 74.6,2.56 C7016.2 v1(74.6,1.29) ; R2022.1 113.39,3.94 114.48,3.94 115.29,3.12 116.19,3.12 116.29,3.02 R2020.1 ; C2330.2 38.12,38.68 v1(38.69,38.68) ; v1(90.71,16.05) 90.71,15.77 91.11,15.36 U3800.AB5 ; C4725.2 C4716.2 ; 65.46,29.83 65.33,29.95 ; 65.46,29.83 65.46,29.79 ; v1(94.16,32.77) 93.43,33.49 84.04,33.49 v1(82.9,32.35) ; 75.92,27.8 75.92,27.2 ; v1(15.76,28.55) U6400.53 v1(15.76,27.12) ; J4201.8 v1(120.93,32.79) ; 82.29,21.4 79.55,21.4 U1000.1M1 ; 67.66,29.32 67.64,29.34 67.64,29.84 ; Y1300.4 78.81,35.57 v1(79.28,36.04) ; C4115.2 111.37,37.26 111.48,37.16 111.79,37.16 v1(111.84,37.11) ; v1(15.19,34.16) U6400.5 15.19,36.35 15.08,36.45 v1(15.07,36.45) ; C1108.2 C1109.2 ; C1030.2 72.41,10.91 72.42,10.92 v2(72.42,10.97) 72.92,11.47 ; v1(10.24,21.46) 10.69,21.02 U6400.27 ; U1000.2K5 73.27,23.95 73.27,24.55 U1000.2L5 ; C1304.2 v1(82.94,35.94) ; 78.18,29.31 78.09,29.4 78.09,29.78 78.37,30.06 U1000.AL4 78.29,30.3 78.29,30.74 v1(78.31,30.76) ; R2305.2 v1(47.07,31.57) ; v1(16.09,36.45) U6400.4 v1(16.09,34.16) ; ED9000.2 v1(12.63,37.78) ; C2308.2 44.57,34.82 v1(45.19,34.82) ; v1(93.19,17.42) 92.88,17.11 92.88,16.67 93.1,16.45 U3800.Y8 ; TP9602.1 51.39,43.81 v1(51.95,44.37) ; D4207.2 v1(116.51,35.95) ; J2501.31 122.4,19.89 v2(122.35,19.84) 122.5,19.69 J2501.30 ; v1(120.93,32.18) 120.92,32.19 J4201.6 ; J9900.1 J9900.3 96.46,8.5 v1(96.21,8.25) ; C2350.2 45.49,21.11 v1(45.9,21.51) ; 63.81,29.59 64.15,29.59 ; U6400.1 v1(19.28,35.32) ; C2340.2 29.05,18.32 v2(29.24,18.52) 29.05,18.71 C2339.2 ; C4119.2 104.42,22.34 104.32,22.44 v1(104.32,22.99) ; C6419.2 19.6,16.9 v1(19.43,16.74) ; 67.64,29.84 67.64,30.1 ; J7003.4 v1(108.63,41.53) ; J2501.6 v1(121.64,16.66) 121.77,16.79 122.61,16.79 122.73,16.66 J2501.19 ; v1(48.75,24.82) 49.66,25.73 49.66,25.87 ; v1(88.52,3.83) 88.52,3.73 88.27,3.48 86.44,3.48 86.34,3.38 86.34,2.87 85.58,2.11 85.27,2.11 ; 62.87,33.45 62.77,33.55 61.45,33.55 61.24,33.35 v1(61.24,33.3) ; 66.34,29.17 66.84,29.17 ; J4201.25 v1(123.9,37.89) ; C7407.2 v1(7.77,15.96) ; 64.88,29.95 64.03,29.95 63.78,30.2 ; J7003.7 v1(111.13,44.07) ; 80.57,16.47 81.3,16.47 82.25,15.53 82.77,15.53 84.76,13.53 v1(84.76,13.08) ; 67.64,30.1 67.64,30.33 67.37,30.61 v1(66.83,30.61) ; v1(98.38,20.24) 98.63,20.5 C3824.2 ; C7418.2 v1(105.84,4.14) ; U1000.2T1 75.92,27.85 ; ED5003.2 v1(30.05,11.3) ; U6400.10 v1(10.69,34.12) ; U1000.2U9 70.67,28.5 ; U1000.1W1 79.54,25.55 81.66,25.55 82.96,26.84 83.85,26.84 84.39,27.38 84.39,29.5 v1(84.69,29.79) 84.8,29.9 84.8,29.99 85.4,30.59 89.3,30.59 89.32,30.57 89.36,30.57 89.48,30.45 v1(89.49,30.45) ; 75.59,17.77 75.59,18.37 ; J4702.11 v1(1.55,36.1) ; J7003.8 106.63,44.39 106.71,44.47 v1(106.71,44.53) ; U1000.2M10 70.07,25.25 ; 18.72,11.66 18.88,11.81 ; J9001.4 v1(12.82,41.17) ; C5011.2 v1(17.68,7.19) ; 5.16,22.12 5.16,22.73 ; C4127.2 102.83,13.37 102.95,13.49 v1(103,13.49) ; J4201.26 v1(123.69,38.59) ; v1(103.16,36.96) C4122.2 103.16,37.67 ; C4007.2 v1(34.22,11.3) ; v1(78.62,28.87) 78.64,28.85 ; C7414.2 ED7403.2 ; ANT6401.2 v1(8.41,43.31) ; C5018.2 v1(16.33,11.71) ; C7403.2 v1(9.73,12.01) ; 4.8,21.97 4.8,21.26 ; J4201.24 v1(120.38,38.02) ; 70.72,18.7 71.32,18.7